# EAGLE board makey_makey_panel_v13 (EAGLE 6.5.0), part 3 of 4
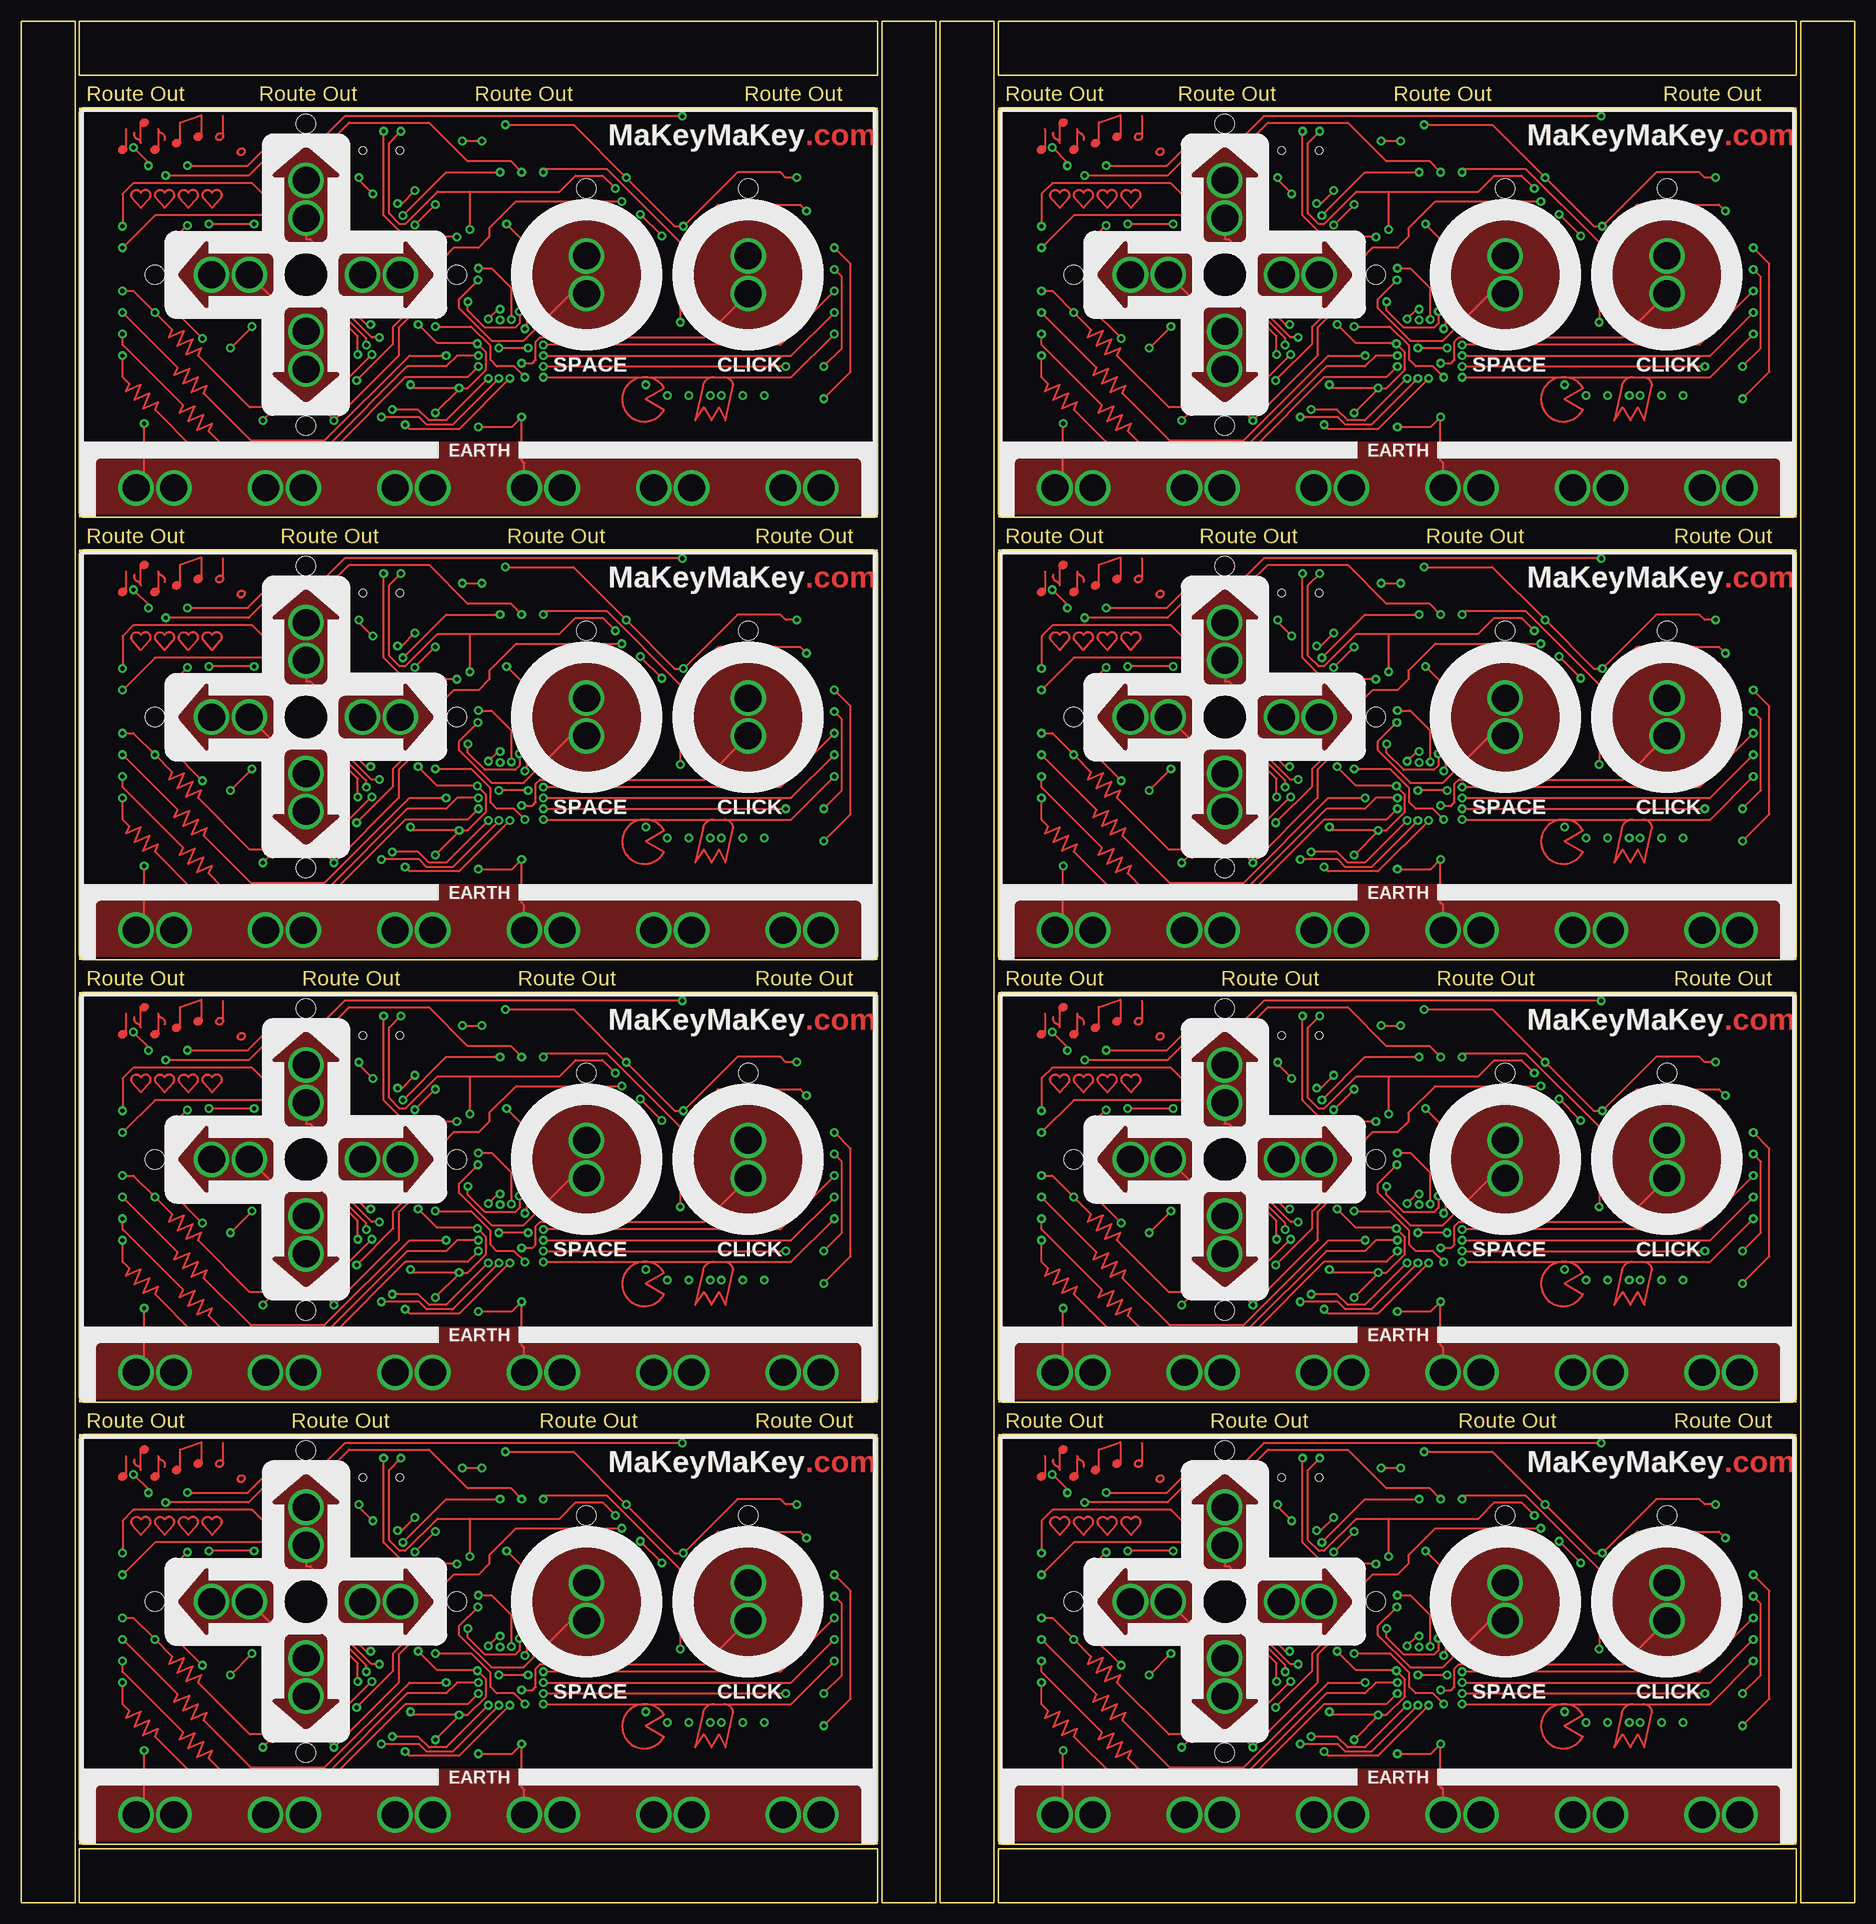
[diagram p0: board, top side]
## Tracks (layer width: path | path; a pad name or v marks a point on that pad's centre or on a via) (continued)
D110  (via drill 0.51) (continued)
  Bottom 0.254: U7.9 168.26,135.88 167.64,135.25 v166.88,135.25 | v160.78,136.4 160.15,136.4 159.89,136.65 155.77,136.65 RIGHT6.1@0 154.56,141.29 v154.56,145.41 | JP91.1 JP91.1-2 158.24,149.1 v156.97,147.83 | RIGHT6.1@2 144.91,139.57 144.27,140.21 144.27,141.44 R180.1
  pour Top (no thermals): 153.16,142.11 146.36,142.11 arc90 145.54,141.3 145.54,137.85 arc90 146.36,137.03 153.16,137.03 153.16,135.9 arc139 153.66,135.71 156.62,139.16 arc81 156.62,139.99 153.66,143.44 arc139 153.16,143.25
D111  (via drill 0.51)
  Top 0.254: v169.67,128.78 v198.25,128.78
  Bottom 0.254: U7.20 169.81,128.92 v169.67,128.78 | JP90.6-2 JP90.6 198.88,131.32 198.46,130.9 R189.1 198.46,128.99 v198.25,128.78
D112  (via drill 0.51)
  Top 0.254: 191.01,127.51 198.88,127.51 v203.96,132.59 | 189.74,127.51 arc77 188.47,126.49 187.58,122.43 188.59,123.95 189.48,122.43 190.37,123.95 191.13,122.43 192.02,126.49 arc90 191.01,127.51 | v169.67,127.51 181.61,127.51 | 181.61,127.51 181.74,127.51 | 181.74,127.51 191.01,127.51 | 181.61,127.51 arc243 183.9,123.7 181.74,124.97 183.9,126.24 arc60 181.74,127.51
  Bottom 0.254: U7.21 170.28,128.12 v169.67,127.51 | JP90.5 203.96,133.86 | 203.96,133.86 JP90.5-2 198.88,133.86 198.46,133.44 R188.1 | v203.96,132.59 203.96,133.86
D113  (via drill 0.51)
  Top 0.254: v169.67,130.05 198.88,130.05 v203.96,135.13
  Bottom 0.254: U7.19 170,129.72 v169.67,130.05 | v203.96,135.13 203.96,136.4 | 203.96,136.4 JP90.4-2 | 203.96,136.4 JP90.4 198.88,136.4 198.46,135.98 R187.1
D114  (via drill 0.51)
  Top 0.254: v203.96,137.67 197.61,131.32 v169.67,131.32
  Bottom 0.254: U7.18 170.47,130.52 v169.67,131.32 | 203.96,138.94 JP90.3-2 198.88,138.94 198.46,138.52 R186.1 | 203.96,138.94 JP90.3 | v203.96,137.67 203.96,138.94
D115  (via drill 0.51)
  Top 0.254: v202.69,128.78 204.85,130.94 204.85,139.32 v203.96,140.21
  Bottom 0.254: 203.96,141.48 JP90.2 198.88,141.48 198.46,141.06 R185.1 | 203.96,141.48 JP90.2-2 | v202.69,128.78 196.34,122.43 170.81,122.43 169.04,124.21 168.63,124.21 168.26,124.57 U7.25 | v203.96,140.21 203.96,141.48
D116  (via drill 0.51)
  Top 0.254: v161.99,138.94 159.77,136.72 159.77,135.64 163.58,131.83 167.39,131.83 172.91,137.35 SPACE6.1@0
  Bottom 0.254: U7.1 161.86,138.81 v161.99,138.94 | SPACE6.1@0 178.24,137.35 178.56,137.67 R179.1
  pour Top (no thermals): 168.4,139.57 arc-90 174.75,145.92 arc-90 181.1,139.57 arc-90 174.75,133.22 arc-90
D117  (via drill 0.51)
  Top 0.254: v165.93,134.3 165.93,137.99 163.58,140.34 v162.05,140.34
  Bottom 0.254: U7.12 168.59,135.32 167.58,134.3 v165.93,134.3 | v162.05,140.34 R199.1
D118  (via drill 0.51)
  Top 0.254: v167.51,127.51 166.24,128.78 164.21,128.78 163.45,129.54 163.45,131.19 161.16,133.48 v156.97,133.48 | v149.35,133.73 148.84,133.73 145.16,137.41 145.16,140.84 142.24,143.76 141.73,143.76 UP6.1@2
  Bottom 0.254: U7.26 167.46,127.46 v167.51,127.51 | v156.97,133.48 156.21,132.72 152.65,132.72 151.64,133.73 v149.35,133.73 | UP6.1@2 141.73,145.29 139.19,142.75 139.19,141.52 R183.1
  pour Top (no thermals): 139.19,151 139.19,144.2 arc90 140.01,143.38 143.46,143.38 arc90 144.27,144.2 144.27,151 145.41,151 arc139 145.59,151.5 142.15,154.46 arc81 141.32,154.46 137.87,151.5 arc139 138.05,151
D119  (via drill 0.51)
  Top 0.254: v125.22,151.26 135,151.26 138.81,155.07 144.4,155.07 146.81,157.48 156.21,157.48 160.78,152.91 165.86,152.91 v167.13,151.64
  Bottom 0.254: U7.8 167.46,138.25 167.77,138.56 167.77,147.19 167.13,147.83 v167.13,151.64 167.13,154.18 167.64,154.69 169.04,154.69 169.15,154.8 LED76.C | LED74.C 119.39,147.08 120.14,147.83 121.79,147.83 v125.22,151.26
D120  (via drill 0.51)
  Top 0.254: v147.83,130.18 147.83,132.33 143.89,136.27 138.37,136.27 LEFT6.1@0
  Bottom 0.254: U7.32 162.66,124.56 162.43,124.33 153.67,124.33 v147.83,130.18 | R182.1 136.97,137.67 LEFT6.1@0
  pour Top (no thermals): 130.3,137.03 137.11,137.03 arc90 137.92,137.85 137.92,141.3 arc90 137.11,142.11 130.3,142.11 130.3,143.25 arc139 129.8,143.44 126.85,139.99 arc81 126.85,139.16 129.8,135.71 arc139 130.3,135.9
D121  (via drill 0.51)
  Top 0.254: v163.19,127.38 158.24,122.43 156.21,122.43 154.94,123.7 v151.89,123.7
  Bottom 0.254: U7.30 164.26,126.31 v163.19,127.38 | R198.1 v151.89,123.7
D122  (via drill 0.51)
  Top 0.254: v164.47,127.38 159,121.92 155.96,121.92 155.07,122.81 v150.62,122.81
  Bottom 0.254: U7.29 165.06,126.78 v164.47,127.38 | v150.62,122.81 149.73,122.81 149.35,122.43 R197.1
D123  (via drill 0.51)
  Top 0.254: v165.74,127.38 159.77,121.41 153.92,121.41 v153.42,121.92
  Bottom 0.254: U7.28 165.86,127.25 v165.74,127.38 | v153.42,121.92 153.42,123.7 148.65,128.46 DOWN6.1@2 | DOWN6.1@0 141.73,133.86 144.27,136.4 144.27,137.63 R181.1
  pour Top (no thermals): 144.27,128.14 144.27,134.95 arc90 143.46,135.76 140.01,135.76 arc90 139.19,134.95 139.19,128.14 138.05,128.14 arc139 137.87,127.64 141.32,124.69 arc81 142.15,124.69 145.59,127.64 arc139 145.41,128.14
D124  (via drill 0.51)
  Top 0.254: v167.13,129.16 168.4,129.16 168.78,129.54 168.78,131.7 169.29,132.21 188.66,132.21 CLICK6.1@0
  Bottom 0.254: U7.27 166.66,128.69 v167.13,129.16 | CLICK6.1@0 190.31,137.35 189.99,137.67 R178.1
  pour Top (no thermals): 187.45,139.57 arc-90 193.8,145.92 arc-90 200.15,139.57 arc-90 193.8,133.22 arc-90
D125  (via drill 0.51)
  Top 0.254: v202.69,124.97 205.87,128.14 205.87,140.84 v203.96,142.75
  Bottom 0.254: v202.69,124.97 198.88,121.16 165.35,121.16 164.59,121.92 164.59,123.7 163.46,124.83 U7.31 | 203.96,144.02 JP90.1-2 198.88,144.02 198.46,143.6 R196.1 | 203.96,144.02 JP90.1 | v203.96,142.75 203.96,144.02
D126
  Bottom 0.203: JP104.5 168.28,205.36
  Bottom 0.254: JP104.5 JP104.5-2 168.4,199.52 169.06,198.86 U8.10
D127
  Bottom 0.254: JP104.6 JP104.6-2 | JP104.6 170.94,204.98 | U8.11 169.86,198.82 170.94,199.9 JP104.6
D128  (via drill 0.51)
  Top 0.254: v166.88,187.32 166.88,185.93 166.37,185.42 162.81,185.42 160.78,187.45 v160.78,188.47 | v156.97,199.9 v154.56,197.49
  Bottom 0.254: U8.9 168.26,187.95 167.64,187.32 v166.88,187.32 | v160.78,188.47 160.15,188.47 159.89,188.72 155.77,188.72 RIGHT7.1@0 154.56,193.36 v154.56,197.49 | JP104.1 JP104.1-2 158.24,201.17 v156.97,199.9 | RIGHT7.1@2 144.91,191.64 144.27,192.28 144.27,193.51 R209.1
  pour Top (no thermals): 153.16,194.18 146.36,194.18 arc90 145.54,193.37 145.54,189.92 arc90 146.36,189.1 153.16,189.1 153.16,187.97 arc139 153.66,187.78 156.62,191.23 arc81 156.62,192.06 153.66,195.51 arc139 153.16,195.32
D129  (via drill 0.51)
  Top 0.254: v169.67,180.85 v198.25,180.85
  Bottom 0.254: U8.20 169.81,180.99 v169.67,180.85 | JP103.6-2 JP103.6 198.88,183.39 198.46,182.97 R218.1 198.46,181.06 v198.25,180.85
D130  (via drill 0.51)
  Top 0.254: 191.01,179.58 198.88,179.58 v203.96,184.66 | 189.74,179.58 arc77 188.47,178.56 187.58,174.5 188.59,176.02 189.48,174.5 190.37,176.02 191.13,174.5 192.02,178.56 arc90 191.01,179.58 | v169.67,179.58 181.61,179.58 | 181.61,179.58 181.74,179.58 | 181.74,179.58 191.01,179.58 | 181.61,179.58 arc243 183.9,175.77 181.74,177.04 183.9,178.31 arc60 181.74,179.58
  Bottom 0.254: U8.21 170.28,180.19 v169.67,179.58 | JP103.5 203.96,185.93 | 203.96,185.93 JP103.5-2 198.88,185.93 198.46,185.51 R217.1 | v203.96,184.66 203.96,185.93
D131  (via drill 0.51)
  Top 0.254: v169.67,182.12 198.88,182.12 v203.96,187.2
  Bottom 0.254: U8.19 170,181.79 v169.67,182.12 | v203.96,187.2 203.96,188.47 | 203.96,188.47 JP103.4-2 | 203.96,188.47 JP103.4 198.88,188.47 198.46,188.05 R216.1
D132  (via drill 0.51)
  Top 0.254: v203.96,189.74 197.61,183.39 v169.67,183.39
  Bottom 0.254: U8.18 170.47,182.59 v169.67,183.39 | 203.96,191.01 JP103.3-2 198.88,191.01 198.46,190.59 R215.1 | 203.96,191.01 JP103.3 | v203.96,189.74 203.96,191.01
D133  (via drill 0.51)
  Top 0.254: v202.69,180.85 204.85,183.01 204.85,191.39 v203.96,192.28
  Bottom 0.254: 203.96,193.55 JP103.2 198.88,193.55 198.46,193.13 R214.1 | 203.96,193.55 JP103.2-2 | v202.69,180.85 196.34,174.5 170.81,174.5 169.04,176.28 168.63,176.28 168.26,176.64 U8.25 | v203.96,192.28 203.96,193.55
D134  (via drill 0.51)
  Top 0.254: v161.99,191.01 159.77,188.78 159.77,187.71 163.58,183.9 167.39,183.9 172.91,189.42 SPACE7.1@0
  Bottom 0.254: U8.1 161.86,190.88 v161.99,191.01 | SPACE7.1@0 178.24,189.42 178.56,189.74 R208.1
  pour Top (no thermals): 168.4,191.64 arc-90 174.75,197.99 arc-90 181.1,191.64 arc-90 174.75,185.29 arc-90
D135  (via drill 0.51)
  Top 0.254: v165.93,186.37 165.93,190.06 163.58,192.41 v162.05,192.41
  Bottom 0.254: U8.12 168.59,187.39 167.58,186.37 v165.93,186.37 | v162.05,192.41 R228.1
D136  (via drill 0.51)
  Top 0.254: v167.51,179.58 166.24,180.85 164.21,180.85 163.45,181.61 163.45,183.26 161.16,185.55 v156.97,185.55 | v149.35,185.8 148.84,185.8 145.16,189.48 145.16,192.91 142.24,195.83 141.73,195.83 UP7.1@2
  Bottom 0.254: U8.26 167.46,179.53 v167.51,179.58 | v156.97,185.55 156.21,184.78 152.65,184.78 151.64,185.8 v149.35,185.8 | UP7.1@2 141.73,197.36 139.19,194.82 139.19,193.59 R212.1
  pour Top (no thermals): 139.19,203.07 139.19,196.27 arc90 140.01,195.45 143.46,195.45 arc90 144.27,196.27 144.27,203.07 145.41,203.07 arc139 145.59,203.57 142.15,206.53 arc81 141.32,206.53 137.87,203.57 arc139 138.05,203.07
D137  (via drill 0.51)
  Top 0.254: v125.22,203.33 135,203.33 138.81,207.14 144.4,207.14 146.81,209.55 156.21,209.55 160.78,204.98 165.86,204.98 v167.13,203.71
  Bottom 0.254: U8.8 167.46,190.32 167.77,190.63 167.77,199.26 167.13,199.9 v167.13,203.71 167.13,206.25 167.64,206.76 169.04,206.76 169.15,206.87 LED87.C | LED85.C 119.39,199.15 120.14,199.9 121.79,199.9 v125.22,203.33
D138  (via drill 0.51)
  Top 0.254: v147.83,182.25 147.83,184.4 143.89,188.34 138.37,188.34 LEFT7.1@0
  Bottom 0.254: U8.32 162.66,176.63 162.43,176.4 153.67,176.4 v147.83,182.25 | R211.1 136.97,189.74 LEFT7.1@0
  pour Top (no thermals): 130.3,189.1 137.11,189.1 arc90 137.92,189.92 137.92,193.37 arc90 137.11,194.18 130.3,194.18 130.3,195.32 arc139 129.8,195.51 126.85,192.06 arc81 126.85,191.23 129.8,187.78 arc139 130.3,187.97
D139  (via drill 0.51)
  Top 0.254: v163.19,179.45 158.24,174.5 156.21,174.5 154.94,175.77 v151.89,175.77
  Bottom 0.254: U8.30 164.26,178.38 v163.19,179.45 | R227.1 v151.89,175.77
D140  (via drill 0.51)
  Top 0.254: v164.47,179.45 159,173.99 155.96,173.99 155.07,174.88 v150.62,174.88
  Bottom 0.254: U8.29 165.06,178.85 v164.47,179.45 | v150.62,174.88 149.73,174.88 149.35,174.5 R226.1
D141  (via drill 0.51)
  Top 0.254: v165.74,179.45 159.77,173.48 153.92,173.48 v153.42,173.99
  Bottom 0.254: U8.28 165.86,179.32 v165.74,179.45 | v153.42,173.99 153.42,175.77 148.65,180.53 DOWN7.1@2 | DOWN7.1@0 141.73,185.93 144.27,188.47 144.27,189.7 R210.1
  pour Top (no thermals): 144.27,180.21 144.27,187.02 arc90 143.46,187.83 140.01,187.83 arc90 139.19,187.02 139.19,180.21 138.05,180.21 arc139 137.87,179.71 141.32,176.76 arc81 142.15,176.76 145.59,179.71 arc139 145.41,180.21
D142  (via drill 0.51)
  Top 0.254: v167.13,181.23 168.4,181.23 168.78,181.61 168.78,183.77 169.29,184.28 188.66,184.28 CLICK7.1@0
  Bottom 0.254: U8.27 166.66,180.76 v167.13,181.23 | CLICK7.1@0 190.31,189.42 189.99,189.74 R207.1
  pour Top (no thermals): 187.45,191.64 arc-90 193.8,197.99 arc-90 200.15,191.64 arc-90 193.8,185.29 arc-90
D143  (via drill 0.51)
  Top 0.254: v202.69,177.04 205.87,180.21 205.87,192.91 v203.96,194.82
  Bottom 0.254: v202.69,177.04 198.88,173.23 165.35,173.23 164.59,173.99 164.59,175.77 163.46,176.9 U8.31 | 203.96,196.09 JP103.1-2 198.88,196.09 198.46,195.67 R225.1 | 203.96,196.09 JP103.1 | v203.96,194.82 203.96,196.09
D+
  Bottom 0.254: U1.4 56.06,37.01 56.39,37.34 R2.1
D+1
  Bottom 0.254: U2.4 56.06,89.08 56.39,89.41 R31.1
D+2
  Bottom 0.254: U3.4 56.06,141.15 56.39,141.48 R60.1
D+3
  Bottom 0.254: U4.4 56.06,193.22 56.39,193.55 R89.1
D+4
  Bottom 0.254: U5.4 164.26,37.01 164.59,37.34 R118.1
D+5
  Bottom 0.254: U6.4 164.26,89.08 164.59,89.41 R147.1
D+6
  Bottom 0.254: U7.4 164.26,141.15 164.59,141.48 R176.1
D+7
  Bottom 0.254: U8.4 164.26,193.22 164.59,193.55 R205.1
D-
  Bottom 0.254: U1.3 55.26,35.93 55.12,36.07 R1.1
D-1
  Bottom 0.254: U2.3 55.26,88 55.12,88.14 R32.1
D-2
  Bottom 0.254: U3.3 55.26,140.07 55.12,140.21 R61.1
D-3
  Bottom 0.254: U4.3 55.26,192.14 55.12,192.28 R90.1
D-4
  Bottom 0.254: U5.3 163.46,35.93 163.32,36.07 R119.1
D-5
  Bottom 0.254: U6.3 163.46,88 163.32,88.14 R148.1
D-6
  Bottom 0.254: U7.3 163.46,140.07 163.32,140.21 R177.1
D-7
  Bottom 0.254: U8.3 163.46,192.14 163.32,192.28 R206.1
GND  (via drill 0.51)
  Top 0.254: v51.56,22.1 52.58,22.1 54.74,24.26 54.74,26.29 v53.72,27.3 53.59,27.43 48.9,27.43 v46.74,29.59 | v56.39,31.37 56.13,31.37 v54.99,30.23 | v44.32,43.81 44.83,43.81 v46.35,45.34 | v48.77,19.18 51.69,22.1 v51.56,22.1 | JP7.1@0 59.24,13.27 58.93,13.59 v58.93,18.67 57.78,17.53 v53.85,17.53 | v51.56,22.1 46.23,22.1 v45.85,22.48 | v59.69,26.8 v56.26,26.8 | v51.94,51.18 v54.23,51.18 | v72.9,42.55 v75.44,40.01 | v27.18,29.34 v24.64,26.8 | v27.43,41.4 v22.1,41.4 | JP11.1@0 14.48,10.35 v14.48,17.91 | v39.75,46.86 39.75,46.61 v41.4,44.96 | v13.21,50.42 14.99,48.64 v14.99,48.26
  Bottom 0.254: JP3.3-2 53.85,18.67 | JP3.2-2 59.82,15.37 60.2,15.75 | JP3.1 JP3.2-2 | 47.88,15.37 47.5,15.75 | 47.5,15.75 47.5,18.29 | JP3.5 50.04,18.29 | JP3.4-2 52.58,18.29 | JP3.3 55.12,18.29 | JP3.2-2 JP3.6-2 47.5,15.75 | U1.35 50.28,23.98 C5.1
  pour Top (no thermals): 8.76,6.86 8.76,13.21 arc-90 9.4,13.84 49.15,13.84 49.15,15.75 58.55,15.75 58.55,13.84 98.3,13.84 arc-90 98.93,13.21 98.93,6.86
  pour Bottom (isolate 0.305): 11.94,55.12 11.94,17.02 95.76,17.02 95.76,55.12
GND1  (via drill 0.51)
  Top 0.254: v51.56,74.17 52.58,74.17 54.74,76.33 54.74,78.36 v53.72,79.38 53.59,79.5 48.9,79.5 v46.74,81.66 | v56.39,83.44 56.13,83.44 v54.99,82.3 | v44.32,95.89 44.83,95.89 v46.35,97.41 | v48.77,71.25 51.69,74.17 v51.56,74.17 | JP18.1@0 59.24,65.34 58.93,65.66 v58.93,70.74 57.78,69.6 v53.85,69.6 | v51.56,74.17 46.23,74.17 v45.85,74.55 | v59.69,78.87 v56.26,78.87 | v51.94,103.25 v54.23,103.25 | v72.9,94.61 v75.44,92.08 | v27.18,81.41 v24.64,78.87 | v27.43,93.47 v22.1,93.47 | JP15.1@0 14.48,62.42 v14.48,69.98 | v39.75,98.93 39.75,98.68 v41.4,97.03 | v13.21,102.49 14.99,100.71 v14.99,100.33
  Bottom 0.254: JP21.3-2 53.85,70.74 | JP21.2-2 59.82,67.44 60.2,67.82 | JP21.1 JP21.2-2 | 47.88,67.44 47.5,67.82 | 47.5,67.82 47.5,70.36 | JP21.5 50.04,70.36 | JP21.4-2 52.58,70.36 | JP21.3 55.12,70.36 | JP21.2-2 JP21.6-2 47.5,67.82 | U2.35 50.28,76.05 C14.1
  pour Top (no thermals): 8.76,58.93 8.76,65.28 arc-90 9.4,65.91 49.15,65.91 49.15,67.82 58.55,67.82 58.55,65.91 98.3,65.91 arc-90 98.93,65.28 98.93,58.93
  pour Bottom (isolate 0.305): 11.94,107.19 11.94,69.09 95.76,69.09 95.76,107.19
GND2  (via drill 0.51)
  Top 0.254: v51.56,126.24 52.58,126.24 54.74,128.4 54.74,130.43 v53.72,131.44 53.59,131.57 48.9,131.57 v46.74,133.73 | v56.39,135.51 56.13,135.51 v54.99,134.37 | v44.32,147.96 44.83,147.96 v46.35,149.48 | v48.77,123.32 51.69,126.24 v51.56,126.24 | JP31.1@0 59.24,117.41 58.93,117.73 v58.93,122.81 57.78,121.67 v53.85,121.67 | v51.56,126.24 46.23,126.24 v45.85,126.62 | v59.69,130.94 v56.26,130.94 | v51.94,155.32 v54.23,155.32 | v72.9,146.69 v75.44,144.15 | v27.18,133.48 v24.64,130.94 | v27.43,145.54 v22.1,145.54 | JP28.1@0 14.48,114.49 v14.48,122.05 | v39.75,151 39.75,150.75 v41.4,149.1 | v13.21,154.56 14.99,152.78 v14.99,152.4
  Bottom 0.254: JP34.3-2 53.85,122.81 | JP34.2-2 59.82,119.51 60.2,119.89 | JP34.1 JP34.2-2 | 47.88,119.51 47.5,119.89 | 47.5,119.89 47.5,122.43 | JP34.5 50.04,122.43 | JP34.4-2 52.58,122.43 | JP34.3 55.12,122.43 | JP34.2-2 JP34.6-2 47.5,119.89 | U3.35 50.28,128.12 C22.1
  pour Top (no thermals): 8.76,111 8.76,117.35 arc-90 9.4,117.98 49.15,117.98 49.15,119.89 58.55,119.89 58.55,117.98 98.3,117.98 arc-90 98.93,117.35 98.93,111
  pour Bottom (isolate 0.305): 11.94,159.26 11.94,121.16 95.76,121.16 95.76,159.26
GND3  (via drill 0.51)
  Top 0.254: v51.56,178.31 52.58,178.31 54.74,180.47 54.74,182.5 v53.72,183.51 53.59,183.64 48.9,183.64 v46.74,185.8 | v56.39,187.58 56.13,187.58 v54.99,186.44 | v44.32,200.03 44.83,200.03 v46.35,201.55 | v48.77,175.39 51.69,178.31 v51.56,178.31 | JP44.1@0 59.24,169.48 58.93,169.8 v58.93,174.88 57.78,173.74 v53.85,173.74 | v51.56,178.31 46.23,178.31 v45.85,178.69 | v59.69,183.01 v56.26,183.01 | v51.94,207.39 v54.23,207.39 | v72.9,198.75 v75.44,196.22 | v27.18,185.55 v24.64,183.01 | v27.43,197.61 v22.1,197.61 | JP41.1@0 14.48,166.56 v14.48,174.12 | v39.75,203.07 39.75,202.82 v41.4,201.17 | v13.21,206.63 14.99,204.85 v14.99,204.47
  Bottom 0.254: JP47.3-2 53.85,174.88 | JP47.2-2 59.82,171.58 60.2,171.96 | JP47.1 JP47.2-2 | 47.88,171.58 47.5,171.96 | 47.5,171.96 47.5,174.5 | JP47.5 50.04,174.5 | JP47.4-2 52.58,174.5 | JP47.3 55.12,174.5 | JP47.2-2 JP47.6-2 47.5,171.96 | U4.35 50.28,180.19 C30.1
  pour Top (no thermals): 8.76,163.07 8.76,169.42 arc-90 9.4,170.05 49.15,170.05 49.15,171.96 58.55,171.96 58.55,170.05 98.3,170.05 arc-90 98.93,169.42 98.93,163.07
  pour Bottom (isolate 0.305): 11.94,211.33 11.94,173.23 95.76,173.23 95.76,211.33
GND4  (via drill 0.51)
  Top 0.254: v159.77,22.1 160.78,22.1 162.94,24.26 162.94,26.29 v161.93,27.3 161.8,27.43 157.1,27.43 v154.94,29.59 | v164.59,31.37 164.34,31.37 v163.19,30.23 | v152.53,43.81 153.03,43.81 v154.56,45.34 | v156.97,19.18 159.89,22.1 v159.77,22.1 | JP57.1@0 167.45,13.27 167.13,13.59 v167.13,18.67 165.99,17.53 v162.05,17.53 | v159.77,22.1 154.43,22.1 v154.05,22.48 | v167.89,26.8 v164.47,26.8 | v160.15,51.18 v162.43,51.18 | v181.1,42.55 v183.64,40.01 | v135.38,29.34 v132.84,26.8 | v135.64,41.4 v130.3,41.4 | JP54.1@0 122.68,10.35 v122.68,17.91 | v147.96,46.86 147.96,46.61 v149.61,44.96 | v121.41,50.42 123.19,48.64 v123.19,48.26
  Bottom 0.254: JP60.3-2 162.05,18.67 | JP60.2-2 168.02,15.37 168.4,15.75 | JP60.1 JP60.2-2 | 156.08,15.37 155.7,15.75 | 155.7,15.75 155.7,18.29 | JP60.5 158.24,18.29 | JP60.4-2 160.78,18.29 | JP60.3 163.32,18.29 | JP60.2-2 JP60.6-2 155.7,15.75 | U5.35 158.48,23.98 C38.1
  pour Top (no thermals): 116.97,6.86 116.97,13.21 arc-90 117.6,13.84 157.35,13.84 157.35,15.75 166.75,15.75 166.75,13.84 206.5,13.84 arc-90 207.14,13.21 207.14,6.86
  pour Bottom (isolate 0.305): 120.14,55.12 120.14,17.02 203.96,17.02 203.96,55.12
GND5  (via drill 0.51)
  Top 0.254: v159.77,74.17 160.78,74.17 162.94,76.33 162.94,78.36 v161.93,79.38 161.8,79.5 157.1,79.5 v154.94,81.66 | v164.59,83.44 164.34,83.44 v163.19,82.3 | v152.53,95.89 153.03,95.89 v154.56,97.41 | v156.97,71.25 159.89,74.17 v159.77,74.17 | JP70.1@0 167.45,65.34 167.13,65.66 v167.13,70.74 165.99,69.6 v162.05,69.6 | v159.77,74.17 154.43,74.17 v154.05,74.55 | v167.89,78.87 v164.47,78.87 | v160.15,103.25 v162.43,103.25 | v181.1,94.61 v183.64,92.08 | v135.38,81.41 v132.84,78.87 | v135.64,93.47 v130.3,93.47 | JP67.1@0 122.68,62.42 v122.68,69.98 | v147.96,98.93 147.96,98.68 v149.61,97.03 | v121.41,102.49 123.19,100.71 v123.19,100.33
  Bottom 0.254: JP73.3-2 162.05,70.74 | JP73.2-2 168.02,67.44 168.4,67.82 | JP73.1 JP73.2-2 | 156.08,67.44 155.7,67.82 | 155.7,67.82 155.7,70.36 | JP73.5 158.24,70.36 | JP73.4-2 160.78,70.36 | JP73.3 163.32,70.36 | JP73.2-2 JP73.6-2 155.7,67.82 | U6.35 158.48,76.05 C46.1
  pour Top (no thermals): 116.97,58.93 116.97,65.28 arc-90 117.6,65.91 157.35,65.91 157.35,67.82 166.75,67.82 166.75,65.91 206.5,65.91 arc-90 207.14,65.28 207.14,58.93
  pour Bottom (isolate 0.305): 120.14,107.19 120.14,69.09 203.96,69.09 203.96,107.19
GND6  (via drill 0.51)
  Top 0.254: v159.77,126.24 160.78,126.24 162.94,128.4 162.94,130.43 v161.93,131.44 161.8,131.57 157.1,131.57 v154.94,133.73 | v164.59,135.51 164.34,135.51 v163.19,134.37 | v152.53,147.96 153.03,147.96 v154.56,149.48 | v156.97,123.32 159.89,126.24 v159.77,126.24 | JP83.1@0 167.45,117.41 167.13,117.73 v167.13,122.81 165.99,121.67 v162.05,121.67 | v159.77,126.24 154.43,126.24 v154.05,126.62 | v167.89,130.94 v164.47,130.94 | v160.15,155.32 v162.43,155.32 | v181.1,146.69 v183.64,144.15 | v135.38,133.48 v132.84,130.94 | v135.64,145.54 v130.3,145.54 | JP80.1@0 122.68,114.49 v122.68,122.05 | v147.96,151 147.96,150.75 v149.61,149.1 | v121.41,154.56 123.19,152.78 v123.19,152.4
  Bottom 0.254: JP86.3-2 162.05,122.81 | JP86.2-2 168.02,119.51 168.4,119.89 | JP86.1 JP86.2-2 | 156.08,119.51 155.7,119.89 | 155.7,119.89 155.7,122.43 | JP86.5 158.24,122.43 | JP86.4-2 160.78,122.43 | JP86.3 163.32,122.43 | JP86.2-2 JP86.6-2 155.7,119.89 | U7.35 158.48,128.12 C54.1
  pour Top (no thermals): 116.97,111 116.97,117.35 arc-90 117.6,117.98 157.35,117.98 157.35,119.89 166.75,119.89 166.75,117.98 206.5,117.98 arc-90 207.14,117.35 207.14,111
  pour Bottom (isolate 0.305): 120.14,159.26 120.14,121.16 203.96,121.16 203.96,159.26
GND7  (via drill 0.51)
  Top 0.254: v159.77,178.31 160.78,178.31 162.94,180.47 162.94,182.5 v161.93,183.51 161.8,183.64 157.1,183.64 v154.94,185.8 | v164.59,187.58 164.34,187.58 v163.19,186.44 | v152.53,200.03 153.03,200.03 v154.56,201.55 | v156.97,175.39 159.89,178.31 v159.77,178.31 | JP96.1@0 167.45,169.48 167.13,169.8 v167.13,174.88 165.99,173.74 v162.05,173.74 | v159.77,178.31 154.43,178.31 v154.05,178.69 | v167.89,183.01 v164.47,183.01 | v160.15,207.39 v162.43,207.39 | v181.1,198.75 v183.64,196.22 | v135.38,185.55 v132.84,183.01 | v135.64,197.61 v130.3,197.61 | JP93.1@0 122.68,166.56 v122.68,174.12 | v147.96,203.07 147.96,202.82 v149.61,201.17 | v121.41,206.63 123.19,204.85 v123.19,204.47
  Bottom 0.254: JP99.3-2 162.05,174.88 | JP99.2-2 168.02,171.58 168.4,171.96 | JP99.1 JP99.2-2 | 156.08,171.58 155.7,171.96 | 155.7,171.96 155.7,174.5 | JP99.5 158.24,174.5 | JP99.4-2 160.78,174.5 | JP99.3 163.32,174.5 | JP99.2-2 JP99.6-2 155.7,171.96 | U8.35 158.48,180.19 C62.1
  pour Top (no thermals): 116.97,163.07 116.97,169.42 arc-90 117.6,170.05 157.35,170.05 157.35,171.96 166.75,171.96 166.75,170.05 206.5,170.05 arc-90 207.14,169.42 207.14,163.07
  pour Bottom (isolate 0.305): 120.14,211.33 120.14,173.23 203.96,173.23 203.96,211.33
N$1
  Bottom 0.254: U1.16 65.75,27.98 66.29,27.43 68.96,27.43 | 68.96,27.43 69.85,27.43 70.36,27.94 C4.1 | Y1.1 69.01,29.07 69.01,27.48 68.96,27.43
N$2
  Bottom 0.254: U1.17 65.79,27.18 66.67,26.3 Y1.3 66.67,24.14 67.02,23.79 C3.1
N$3
  Bottom 0.254: R18.1 12.36,45.38 11.42,44.44 LED8.A
N$4
  Bottom 0.254: U1.6 C2.2
N$5
  Bottom 0.254: X1.VBUS 40.82,45.9 40.26,45.34 37.72,45.34 37.34,44.96 F1.1
N$6
  Bottom 0.254: X1.D- 41.62,46.27 42.8,45.09 44.45,45.09 47.75,41.78 53.85,41.78 55.12,40.51 R1.2
N$7
  Bottom 0.254: LED7.C 41.16,43.53 R23.2
N$8
  Bottom 0.254: X1.D+ 42.42,46.23 43.05,45.59 44.7,45.59 48.01,42.29 54.86,42.29 56.39,40.77 R2.2
N$9
  Bottom 0.254: LED11.A R16.1
  pour Top: 52.1,14.85 52.1,14.91 52.41,15.23 52.73,14.91 52.73,14.85
N$10
  Bottom 0.254: R19.1 LED10.A
  pour Top: 53.5,14.77 53.5,15.27 53.99,15.27 54.14,15.12 54.14,14.78 53.99,14.63 53.5,14.63 53.5,14.77 53.5,14.77
N$11
  Bottom 0.254: LED9.A 94.88,44.44 94.49,44.83 R17.1
N$12  (via drill 0.51)
  other vias: 73.53,22.48
N$13  (via drill 0.51)
  other vias: 76.07,21.21
N$14  (via drill 0.51)
  other vias: 81.15,21.21
N$15  (via drill 0.51)
  other vias: 78.61,21.21
N$16  (via drill 0.51)
  other vias: 82.42,21.21
N$17  (via drill 0.51)
  other vias: 84.96,21.21
N$18  (via drill 0.51)
  other vias: 87.5,21.21
N$19
  Top 0.254: 26.29,50.16 arc-160 25.53,49.66 arc-160 26.29,50.16
N$20
  Top 0.254: 23.75,54.1 23.75,51.94 | 23.75,51.94 arc-160 22.99,51.44 arc-160 23.75,51.94
N$21
  Bottom 0.254: U2.16 65.75,80.05 66.29,79.5 68.96,79.5 | 68.96,79.5 69.85,79.5 70.36,80.01 C11.1 | Y2.1 69.01,81.14 69.01,79.55 68.96,79.5
N$22
  Bottom 0.254: U2.17 65.79,79.25 66.67,78.37 Y2.3 66.67,76.21 67.02,75.86 C10.1
N$23
  Bottom 0.254: U2.6 C12.2
N$24  (via drill 0.51)
  Top 0.254: v39.5,22.99 43.81,27.3 43.81,29.34 49.15,34.67 49.15,39.88 | v51.31,39.88 49.15,39.88 | v42.67,52.32 42.67,42.42 45.21,39.88 49.15,39.88
  Bottom 0.254: 31.73,19.81 36.7,19.81 36.96,19.56 R21.2 38.39,21.88 v39.5,22.99 | LED2.A 16.87,37.23 31.73,22.37 31.73,19.81 | v51.31,39.88 LED6.C | v42.67,52.32 41.78,51.44 35.94,51.44 35.33,52.05 LED5.A | LED1.C 31.73,19.81
N$25  (via drill 0.51)
  Top 0.254: v28.45,18.29 29.34,19.18 35.94,19.18 v36.83,18.29 44.45,25.91 44.45,29.21 49.66,34.42 49.66,37.34 50.93,38.61 53.85,38.61 55.12,39.88 55.12,40.89 58.29,44.07 v70.74,44.07
  Bottom 0.254: LED2.C 19.58,33.63 28.45,24.77 v28.45,18.29 | LED1.A 36.2,17.65 v36.83,18.29 R20.2 | LED3.A 87.4,44.6 86.87,44.07 v70.74,44.07 65.28,44.07 64.75,44.6 LED4.C
N$26  (via drill 0.51)
  Top 0.254: 52.83,45.21 49.02,45.21 45.21,41.4 44.58,41.4 43.31,42.67 43.31,50.93 v44.7,52.32 | 52.83,45.21 63.37,45.21 65.28,47.12 68.45,47.12 v69.98,45.59 | v52.83,40.77 52.83,45.21
  Bottom 0.254: v52.83,40.77 52.83,39.5 | 52.83,39.5 52.83,34.29 52.17,33.63 LED6.A | v44.7,52.32 43.31,50.93 32.64,50.93 31.73,51.84 LED5.C | LED4.A v69.98,45.59 LED3.C | R22.2 52.87,39.46 52.83,39.5